# KiCad board pcb.kicad_pcb (continued)
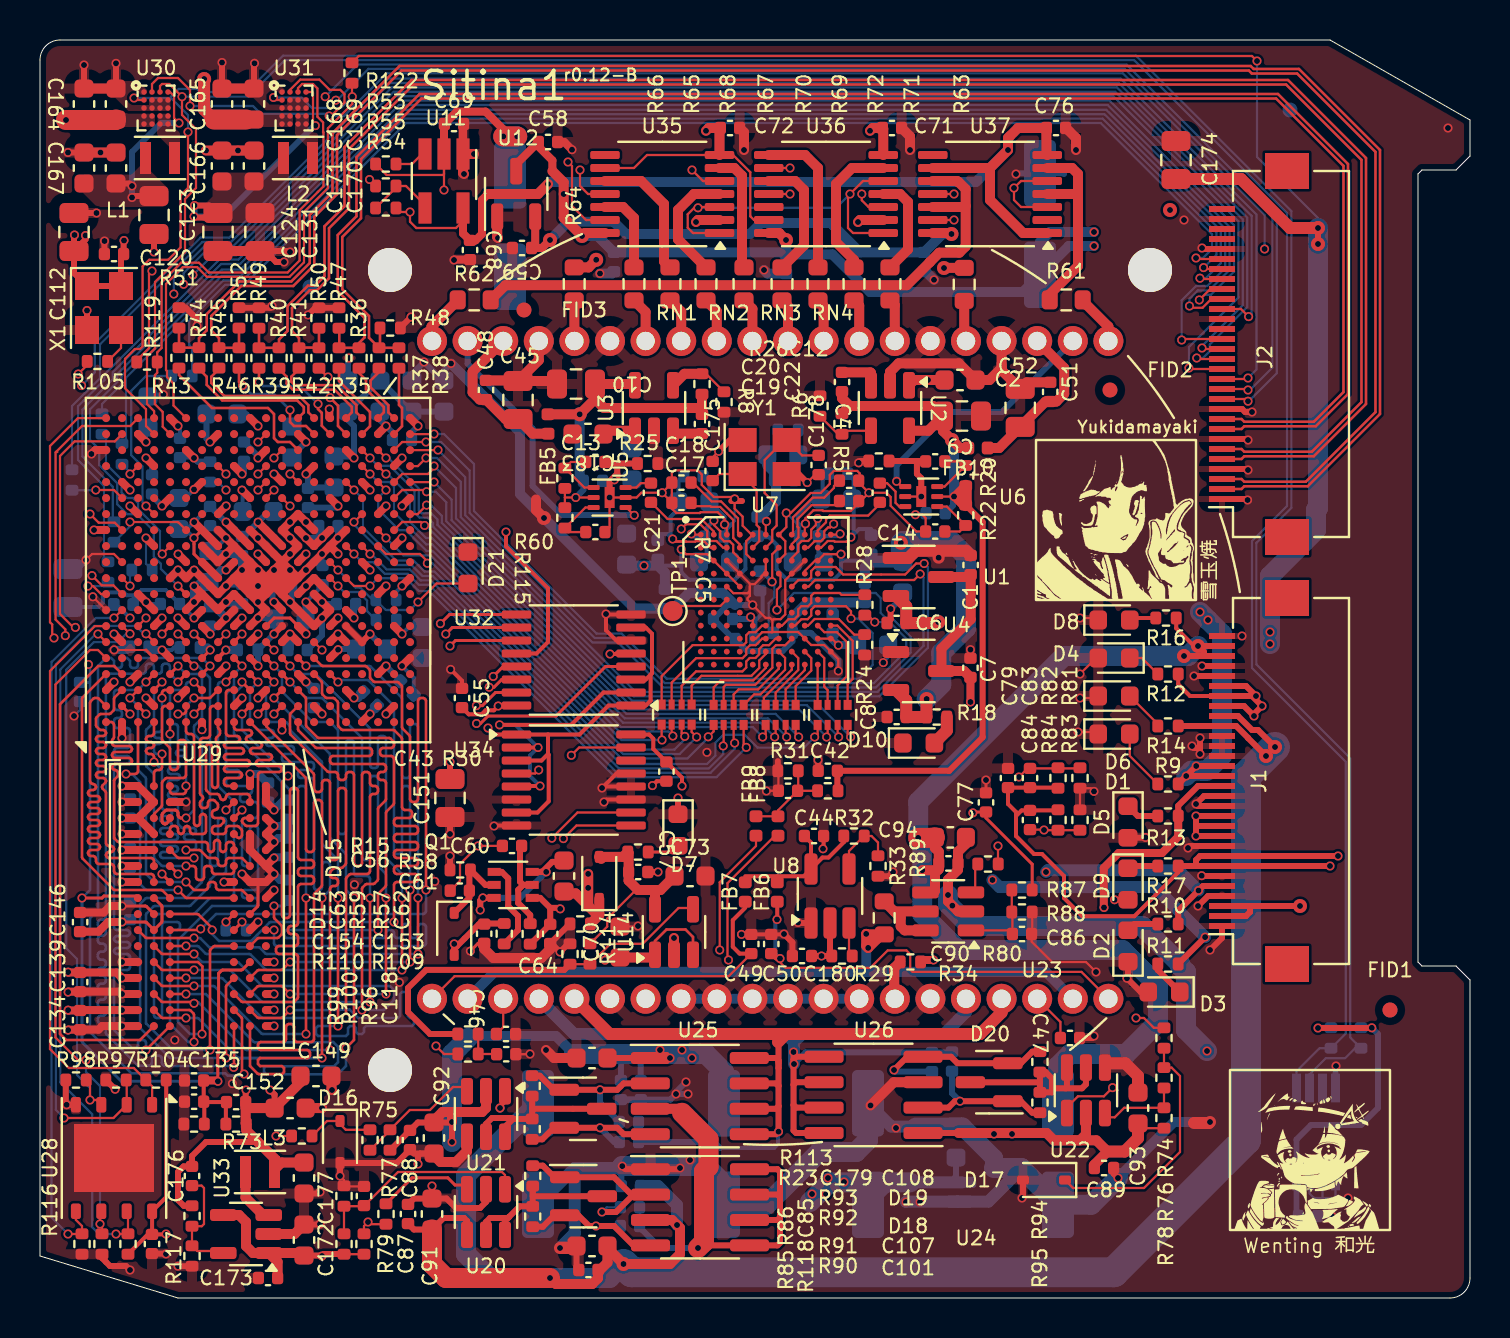
[diagram p0: board, top side]
## Library data of the parts
C1-C52 C55-C73 C76 C77 C79 C83-C185 = -: ki_fp_filters: C_*
C53 C54 C78 C80-C82 = -: ki_fp_filters: CP_*
D1-D10 D21 = -: ki_fp_filters: LED* LED_SMD:* LED_THT:*
D14 D15 = -: ki_fp_filters: TO-???* *_Diode_* *SingleDiode* D_*
D16 D17 = -: Sim.Device: D; Sim.Pins: 1=K 2=A; ki_fp_filters: TO-???* *_Diode_* *SingleDiode* D_*
D18-D20 = -: Datasheet: https://www.diodes.com/assets/Datasheets/ds11005.pdf; ki_fp_filters: SOT?23*
FB1-FB11 = -: ki_fp_filters: Inductor_* L_* *Ferrite*
FID1-FID6 = -: Description: Fiducial Marker; ki_fp_filters: Fiducial*
H1-H3 = -: ki_fp_filters: MountingHole*
HS1 = -: ki_fp_filters: Heatsink_*
J1 J2 = -: ki_fp_filters: Connector*:*_1x??_*
L1-L3 = -: ki_fp_filters: Choke_* *Coil* Inductor_* L_*
Q1 = -: Datasheet: https://assets.nexperia.com/documents/data-sheet/BC847BPN.pdf; ki_fp_filters: SOT?363*
R5-R55 R57-R128 = -: ki_fp_filters: R_*
RN1-RN4 = -: ki_fp_filters: DIP* SOIC* R*Array*Concave* R*Array*Convex*
TP1 = -: Description: test point; ki_fp_filters: Pin* Test*
U1 U4 U12 = -: Datasheet: https://www.torexsemi.com/file/xc6206/XC6206.pdf; ki_fp_filters: SOT?23?3*
U2 U3 = -: Datasheet: https://www.analog.com/media/en/technical-documentation/data-sheets/1761sff.pdf; Description: MICROPOWER 100mA LDO adjustable regulator, TSOT-23-5; ki_fp_filters: TSOT?23*
U8 U11 = -: Datasheet: https://www.ti.com/lit/ds/symlink/tps723.pdf?ts=1702883007627&ref_url=https%253A%252F%252Fwww.ti.com%252Fpower-management%252Flinear-regulators-ldo%252Fproducts.html
U9 = -: Datasheet: https://www.ti.com/lit/gpn/tmp1075; Description: I2C-bus digital temperature sensor and thermal watchdog, VSSOP-8; ki_fp_filters: VSSOP*3.0x3.0mm*P0.65mm*
U14 = -: Datasheet: https://www.diodes.com/assets/Datasheets/products_inactive_data/AP2204.pdf; Description: 150mA low dropout adjustable linear regulator, wide input voltage range, SOT-23-5 package; ki_fp_filters: SOT?23?5*
U20-U23 = -: Datasheet: https://www.infineon.com/dgdl/Infineon-1EDN6550B-DataSheet-v02_03-EN.pdf
U24-U26 = -: Datasheet: https://www.infineon.com/dgdl/Infineon-IRF9389-DataSheet-v01_01-EN.pdf
U27 = -: desc: xc7z007sclg400
U28 = -: Datasheet: http://www.winbond.com/resource-files/w25q32jv%20revg%2003272018%20plus.pdf; ki_fp_filters: WSON*1EP*6x5mm*P1.27mm*
U32 U34 = -: Datasheet: http://www.intersil.com/content/dam/Intersil/documents/cd40/cd4051bms-52bms-53bms.pdf; Description: Triple analog Multiplexer 2 to 1 line; ki_fp_filters: DIP?16*
U33 = -: Description: High Efficiency 1.5MHz, 0.6A/1A/1.2A Synchronous Step Down Regulator; ki_fp_filters: TSOT*23*
U35-U37 = -: Datasheet: https://assets.nexperia.com/documents/data-sheet/74HC_HCT04.pdf; Description: Hex Inverter; ki_fp_filters: DIP*W7.62mm* SSOP?14* TSSOP?14*
X1 = -: Datasheet: http://www.abracon.com/Oscillators/ASV.pdf; ki_fp_filters: Oscillator*SMD*Abracon*ASE*3.2x2.5mm*
Y1 = -: ki_fp_filters: Crystal*

## Footprints (pads in the part's own frame, mm; a bottom-side part is the same pattern mirrored in y, then rotated)
BGA-96_9.0x14.0mm_P0.8mm
  round 0.4 smd: A1(-3.2,6) A2(-2.4,6) A3(-1.6,6) A7(1.6,6) A8(2.4,6) A9(3.2,6) B1(-3.2,5.2) B2(-2.4,5.2) B3(-1.6,5.2) B7(1.6,5.2) B8(2.4,5.2) B9(3.2,5.2) C1(-3.2,4.4) C2(-2.4,4.4) C3(-1.6,4.4) C7(1.6,4.4) C8(2.4,4.4) C9(3.2,4.4) D1(-3.2,3.6) D2(-2.4,3.6) D3(-1.6,3.6) D7(1.6,3.6) D8(2.4,3.6) D9(3.2,3.6) E1(-3.2,2.8) E2(-2.4,2.8) E3(-1.6,2.8) E7(1.6,2.8) E8(2.4,2.8) E9(3.2,2.8) F1(-3.2,2) F2(-2.4,2) F3(-1.6,2) F7(1.6,2) F8(2.4,2) F9(3.2,2) G1(-3.2,1.2) G2(-2.4,1.2) G3(-1.6,1.2) G7(1.6,1.2) G8(2.4,1.2) G9(3.2,1.2) H1(-3.2,0.4) H2(-2.4,0.4) H3(-1.6,0.4) H7(1.6,0.4) H8(2.4,0.4) H9(3.2,0.4) J1(-3.2,-0.4) J2(-2.4,-0.4) J3(-1.6,-0.4) J7(1.6,-0.4) J8(2.4,-0.4) J9(3.2,-0.4) K1(-3.2,-1.2) K2(-2.4,-1.2) K3(-1.6,-1.2) K7(1.6,-1.2) K8(2.4,-1.2) K9(3.2,-1.2) L1(-3.2,-2) L2(-2.4,-2) L3(-1.6,-2) L7(1.6,-2) L8(2.4,-2) L9(3.2,-2) M1(-3.2,-2.8) M2(-2.4,-2.8) M3(-1.6,-2.8) M7(1.6,-2.8) M8(2.4,-2.8) M9(3.2,-2.8) N1(-3.2,-3.6) N2(-2.4,-3.6) N3(-1.6,-3.6) N7(1.6,-3.6) N8(2.4,-3.6) N9(3.2,-3.6) P1(-3.2,-4.4) P2(-2.4,-4.4) P3(-1.6,-4.4) P7(1.6,-4.4) P8(2.4,-4.4) P9(3.2,-4.4) R1(-3.2,-5.2) R2(-2.4,-5.2) R3(-1.6,-5.2) R7(1.6,-5.2) R8(2.4,-5.2) R9(3.2,-5.2) T1(-3.2,-6) T2(-2.4,-6) T3(-1.6,-6) T7(1.6,-6) T8(2.4,-6) T9(3.2,-6)
BGA-112_11x11_8.0x8.0mm
  round 0.29 smd: A1(-3.25,3.25) A2(-2.6,3.25) A3(-1.95,3.25) A4(-1.3,3.25) A5(-0.65,3.25) A6(0,3.25) A7(0.65,3.25) A8(1.3,3.25) A9(1.95,3.25) A10(2.6,3.25) A11(3.25,3.25) B1(-3.25,2.6) B2(-2.6,2.6) B3(-1.95,2.6) B4(-1.3,2.6) B5(-0.65,2.6) B6(0,2.6) B7(0.65,2.6) B8(1.3,2.6) B9(1.95,2.6) B10(2.6,2.6) B11(3.25,2.6) C1(-3.25,1.95) C2(-2.6,1.95) C3(-1.95,1.95) C4(-1.3,1.95) C5(-0.65,1.95) C6(0,1.95) C7(0.65,1.95) C8(1.3,1.95) C9(1.95,1.95) C10(2.6,1.95) C11(3.25,1.95) D1(-3.25,1.3) D2(-2.6,1.3) D3(-1.95,1.3) D4(-1.3,1.3) D5(-0.65,1.3) D6(0,1.3) D7(0.65,1.3) D8(1.3,1.3) D9(1.95,1.3) D10(2.6,1.3) D11(3.25,1.3) E1(-3.25,0.65) E2(-2.6,0.65) E3(-1.95,0.65) E4(-1.3,0.65) E8(1.3,0.65) E9(1.95,0.65) E10(2.6,0.65) E11(3.25,0.65) F1(-3.25,0) F2(-2.6,0) F3(-1.95,0) F4(-1.3,0) F8(1.3,0) F9(1.95,0) F10(2.6,0) F11(3.25,0) G1(-3.25,-0.65) G2(-2.6,-0.65) G3(-1.95,-0.65) G4(-1.3,-0.65) G8(1.3,-0.65) G9(1.95,-0.65) G10(2.6,-0.65) G11(3.25,-0.65) H1(-3.25,-1.3) H2(-2.6,-1.3) H3(-1.95,-1.3) H4(-1.3,-1.3) H5(-0.65,-1.3) H6(0,-1.3) H7(0.65,-1.3) H8(1.3,-1.3) H9(1.95,-1.3) H10(2.6,-1.3) H11(3.25,-1.3) J1(-3.25,-1.95) J2(-2.6,-1.95) J3(-1.95,-1.95) J4(-1.3,-1.95) J5(-0.65,-1.95) J6(0,-1.95) J7(0.65,-1.95) J8(1.3,-1.95) J9(1.95,-1.95) J10(2.6,-1.95) J11(3.25,-1.95) K1(-3.25,-2.6) K2(-2.6,-2.6) K3(-1.95,-2.6) K4(-1.3,-2.6) K5(-0.65,-2.6) K6(0,-2.6) K7(0.65,-2.6) K8(1.3,-2.6) K9(1.95,-2.6) K10(2.6,-2.6) K11(3.25,-2.6) L1(-3.25,-3.25) L2(-2.6,-3.25) L3(-1.95,-3.25) L4(-1.3,-3.25) L5(-0.65,-3.25) L6(0,-3.25) L7(0.65,-3.25) L8(1.3,-3.25) L9(1.95,-3.25) L10(2.6,-3.25) L11(3.25,-3.25)
C_0402_1005Metric
  rrect 0.56x0.62 smd: 1(-0.48,0) 2(0.48,0)
C_0603_1608Metric
  rrect 0.9x0.95 smd: 1(-0.775,0) 2(0.775,0)
C_0805_2012Metric
  rrect 1x1.45 smd: 1(-0.95,0) 2(0.95,0)
C_Elec_6.3x7.7
  rrect 3.325x1.6 smd: 1(-2.538,0) 2(2.538,0)
Crystal_SMD_3225-4Pin_3.2x2.5mm
  rect 1.4x1.2 smd: 1(-1.1,-0.85) 2(1.1,-0.85) 3(1.1,0.85) 4(-1.1,0.85)
CSP-20_4x5_1.6x2.0mm
  round 0.275 smd: A1(-0.6,0.8) A2(-0.2,0.8) A3(0.2,0.8) A4(0.6,0.8) B1(-0.6,0.4) B2(-0.2,0.4) B3(0.2,0.4) B4(0.6,0.4) C1(-0.6,0) C2(-0.2,0) C3(0.2,0) C4(0.6,0) D1(-0.6,-0.4) D2(-0.2,-0.4) D3(0.2,-0.4) D4(0.6,-0.4) E1(-0.6,-0.8) E2(-0.2,-0.8) E3(0.2,-0.8) E4(0.6,-0.8)
D_SOD-323
  rrect 0.6x0.45 smd: 1(-1.05,0) 2(1.05,0)
DFN-6-1EP_1.6x1.6mm_P0.5mm_EP0.5x1.05mm
  rect 0.5x1.05 smd: (0,0) 7(0,0)
  rrect 0.6x0.25 smd: 1(-0.8,0.5) 2(-0.8,0) 3(-0.8,-0.5) 4(0.8,-0.5) 5(0.8,0) 6(0.8,0.5)
Fiducial_0.75mm_Mask1.5mm
  round 0.75 smd: (0,0)
Hirose_FH12-30S-0.5SH_1x30-1MP_P0.50mm_Horizontal
  rect 0.3x1.3 smd: 1(-7.25,1.85) 2(-6.75,1.85) 3(-6.25,1.85) 4(-5.75,1.85) 5(-5.25,1.85) 6(-4.75,1.85) 7(-4.25,1.85) 8(-3.75,1.85) 9(-3.25,1.85) 10(-2.75,1.85) 11(-2.25,1.85) 12(-1.75,1.85) 13(-1.25,1.85) 14(-0.75,1.85) 15(-0.25,1.85) 16(0.25,1.85) 17(0.75,1.85) 18(1.25,1.85) 19(1.75,1.85) 20(2.25,1.85) 21(2.75,1.85) 22(3.25,1.85) 23(3.75,1.85) 24(4.25,1.85) 25(4.75,1.85) 26(5.25,1.85) 27(5.75,1.85) 28(6.25,1.85) 29(6.75,1.85) 30(7.25,1.85)
  rect 1.8x2.2 smd: MP(-9.15,-1.4) MP(9.15,-1.4)
KAI-1100X
  round 1.5 hole 0.92: 1(-16.91,-16.445) 2(-15.13,-16.445) 3(-13.35,-16.445) 4(-11.57,-16.445) 5(-9.79,-16.445) 6(-8.01,-16.445) 7(-6.23,-16.445) 8(-4.45,-16.445) 9(-2.67,-16.445) 10(-0.89,-16.445) 11(0.89,-16.445) 12(2.67,-16.445) 13(4.45,-16.445) 14(6.23,-16.445) 15(8.01,-16.445) 16(9.79,-16.445) 17(11.57,-16.445) 18(13.35,-16.445) 19(15.13,-16.445) 20(16.91,-16.445) 21(16.91,16.445) 22(15.13,16.445) 23(13.35,16.445) 24(11.57,16.445) 25(9.79,16.445) 26(8.01,16.445) 27(6.23,16.445) 28(4.45,16.445) 29(2.67,16.445) 30(0.89,16.445) 31(-0.89,16.445) 32(-2.67,16.445) 33(-4.45,16.445) 34(-6.23,16.445) 35(-8.01,16.445) 36(-9.79,16.445) 37(-11.57,16.445) 38(-13.35,16.445) 39(-15.13,16.445) 40(-16.91,16.445)
L_0402_1005Metric
  rrect 0.59x0.64 smd: 1(-0.485,0) 2(0.485,0)
L_Murata_DFE201610P
  rect 0.55x1.6 smd: 1(-0.725,0) 2(0.725,0)
LED_0603_1608Metric
  rrect 0.875x0.95 smd: 1(-0.787,0) 2(0.787,0)
MountingHole_2.2mm_M2_DIN965
  round 2.2 hole 2.2 unplated: (0,0)
R_0402_1005Metric
  rrect 0.54x0.64 smd: 1(-0.51,0) 2(0.51,0)
R_0603_1608Metric
  rrect 0.8x0.95 smd: 1(-0.825,0) 2(0.825,0)
R_Array_Convex_4x0402
  rect 0.5x0.4 smd: 1(-0.5,0.75) 4(-0.5,-0.75) 5(0.5,-0.75) 8(0.5,0.75)
  rect 0.5x0.3 smd: 2(-0.5,0.25) 3(-0.5,-0.25) 6(0.5,-0.25) 7(0.5,0.25)
SOIC-8_3.9x4.9mm_P1.27mm
  rrect 1.95x0.6 smd: 1(-2.475,1.905) 2(-2.475,0.635) 3(-2.475,-0.635) 4(-2.475,-1.905) 5(2.475,-1.905) 6(2.475,-0.635) 7(2.475,0.635) 8(2.475,1.905)
SOT-23
  rrect 1.475x0.6 smd: 1(-0.938,0.95) 2(-0.938,-0.95) 3(0.938,0)
SOT-23-3
  rrect 1.325x0.6 smd: 1(-1.137,0.95) 2(-1.137,-0.95) 3(1.137,0)
SOT-23-5
  rrect 1.325x0.6 smd: 1(-1.137,0.95) 2(-1.137,0) 3(-1.137,-0.95) 4(1.137,-0.95) 5(1.137,0.95)
SOT-23-5_HandSoldering
  rrect 1.56x0.65 smd: 1(-1.35,0.95) 2(-1.35,0) 3(-1.35,-0.95) 4(1.35,-0.95) 5(1.35,0.95)
SOT-23-5_HandSoldering#2
  rect 1.56x0.65 smd: 1(-1.35,0.95) 2(-1.35,0) 3(-1.35,-0.95) 4(1.35,-0.95) 5(1.35,0.95)
SOT-23-6
  rrect 1.325x0.6 smd: 1(-1.137,0.95) 2(-1.137,0) 3(-1.137,-0.95) 4(1.137,-0.95) 5(1.137,0) 6(1.137,0.95)
SOT-363_SC-70-6
  rect 0.65x0.4 smd: 1(-0.95,0.65) 2(-0.95,0) 3(-0.95,-0.65) 4(0.95,-0.65) 5(0.95,0) 6(0.95,0.65)
TestPoint_Pad_D1.0mm
  round 1 smd: 1(0,0)
TSOT-23-5
  rrect 1.325x0.6 smd: 1(-1.137,0.95) 2(-1.137,0) 3(-1.137,-0.95) 4(1.137,-0.95) 5(1.137,0.95)
TSSOP-14_4.4x5mm_P0.65mm
  rrect 1.475x0.4 smd: 1(-2.862,1.95) 2(-2.862,1.3) 3(-2.862,0.65) 4(-2.862,0) 5(-2.862,-0.65) 6(-2.862,-1.3) 7(-2.862,-1.95) 8(2.862,-1.95) 9(2.862,-1.3) 10(2.862,-0.65) 11(2.862,0) 12(2.862,0.65) 13(2.862,1.3) 14(2.862,1.95)
TSSOP-16_4.4x5mm_P0.65mm
  rrect 1.475x0.4 smd: 1(-2.862,2.275) 2(-2.862,1.625) 3(-2.862,0.975) 4(-2.862,0.325) 5(-2.862,-0.325) 6(-2.862,-0.975) 7(-2.862,-1.625) 8(-2.862,-2.275) 9(2.862,-2.275) 10(2.862,-1.625) 11(2.862,-0.975) 12(2.862,-0.325) 13(2.862,0.325) 14(2.862,0.975) 15(2.862,1.625) 16(2.862,2.275)
VSSOP-8_3.0x3.0mm_P0.65mm
  rect 1.45x0.45 smd: 1(-2.2,0.975) 2(-2.2,0.325) 3(-2.2,-0.325) 4(-2.2,-0.975) 5(2.2,-0.975) 6(2.2,-0.325) 7(2.2,0.325) 8(2.2,0.975)
WSON-8-1EP_6x5mm_P1.27mm_EP3.4x4mm
  rrect 1.37x1.61 smd: (-0.85,1) (-0.85,-1) (0.85,1) (0.85,-1)
  rrect 0.775x0.5 smd: 1(-2.663,1.905) 2(-2.663,0.635) 3(-2.663,-0.635) 4(-2.663,-1.905) 5(2.663,-1.905) 6(2.663,-0.635) 7(2.663,0.635) 8(2.663,1.905)
  rect 3.4x4 smd: 9(0,0)
Xilinx_CLG400
  round 0.4 smd: A1(-7.6,7.6) A2(-6.8,7.6) A3(-6,7.6) A4(-5.2,7.6) A5(-4.4,7.6) A6(-3.6,7.6) A7(-2.8,7.6) A8(-2,7.6) A9(-1.2,7.6) A10(-0.4,7.6) A11(0.4,7.6) A12(1.2,7.6) A13(2,7.6) A14(2.8,7.6) A15(3.6,7.6) A16(4.4,7.6) A17(5.2,7.6) A18(6,7.6) A19(6.8,7.6) A20(7.6,7.6) B1(-7.6,6.8) B2(-6.8,6.8) B3(-6,6.8) B4(-5.2,6.8) B5(-4.4,6.8) B6(-3.6,6.8) B7(-2.8,6.8) B8(-2,6.8) B9(-1.2,6.8) B10(-0.4,6.8) B11(0.4,6.8) B12(1.2,6.8) B13(2,6.8) B14(2.8,6.8) B15(3.6,6.8) B16(4.4,6.8) B17(5.2,6.8) B18(6,6.8) B19(6.8,6.8) B20(7.6,6.8) C1(-7.6,6) C2(-6.8,6) C3(-6,6) C4(-5.2,6) C5(-4.4,6) C6(-3.6,6) C7(-2.8,6) C8(-2,6) C9(-1.2,6) C10(-0.4,6) C11(0.4,6) C12(1.2,6) C13(2,6) C14(2.8,6) C15(3.6,6) C16(4.4,6) C17(5.2,6) C18(6,6) C19(6.8,6) C20(7.6,6) D1(-7.6,5.2) D2(-6.8,5.2) D3(-6,5.2) D4(-5.2,5.2) D5(-4.4,5.2) D6(-3.6,5.2) D7(-2.8,5.2) D8(-2,5.2) D9(-1.2,5.2) D10(-0.4,5.2) D11(0.4,5.2) D12(1.2,5.2) D13(2,5.2) D14(2.8,5.2) D15(3.6,5.2) D16(4.4,5.2) D17(5.2,5.2) D18(6,5.2) D19(6.8,5.2) D20(7.6,5.2) E1(-7.6,4.4) E2(-6.8,4.4) E3(-6,4.4) E4(-5.2,4.4) E5(-4.4,4.4) E6(-3.6,4.4) E7(-2.8,4.4) E8(-2,4.4) E9(-1.2,4.4) E10(-0.4,4.4) E11(0.4,4.4) E12(1.2,4.4) E13(2,4.4) E14(2.8,4.4) E15(3.6,4.4) E16(4.4,4.4) E17(5.2,4.4) E18(6,4.4) E19(6.8,4.4) E20(7.6,4.4) F1(-7.6,3.6) F2(-6.8,3.6) F3(-6,3.6) F4(-5.2,3.6) F5(-4.4,3.6) F6(-3.6,3.6) F7(-2.8,3.6) F8(-2,3.6) F9(-1.2,3.6) F10(-0.4,3.6) F11(0.4,3.6) F12(1.2,3.6) F13(2,3.6) F14(2.8,3.6) F15(3.6,3.6) F16(4.4,3.6) F17(5.2,3.6) F18(6,3.6) F19(6.8,3.6) F20(7.6,3.6) G1(-7.6,2.8) G2(-6.8,2.8) G3(-6,2.8) G4(-5.2,2.8) G5(-4.4,2.8) G6(-3.6,2.8) G7(-2.8,2.8) G8(-2,2.8) G9(-1.2,2.8) G10(-0.4,2.8) G11(0.4,2.8) G12(1.2,2.8) G13(2,2.8) G14(2.8,2.8) G15(3.6,2.8) G16(4.4,2.8) G17(5.2,2.8) G18(6,2.8) G19(6.8,2.8) G20(7.6,2.8) H1(-7.6,2) H2(-6.8,2) H3(-6,2) H4(-5.2,2) H5(-4.4,2) H6(-3.6,2) H7(-2.8,2) H8(-2,2) H9(-1.2,2) H10(-0.4,2) H11(0.4,2) H12(1.2,2) H13(2,2) H14(2.8,2) H15(3.6,2) H16(4.4,2) H17(5.2,2) H18(6,2) H19(6.8,2) H20(7.6,2) J1(-7.6,1.2) J2(-6.8,1.2) J3(-6,1.2) J4(-5.2,1.2) J5(-4.4,1.2) J6(-3.6,1.2) J7(-2.8,1.2) J8(-2,1.2) J9(-1.2,1.2) J10(-0.4,1.2) J11(0.4,1.2) J12(1.2,1.2) J13(2,1.2) J14(2.8,1.2) J15(3.6,1.2) J16(4.4,1.2) J17(5.2,1.2) J18(6,1.2) J19(6.8,1.2) J20(7.6,1.2) K1(-7.6,0.4) K2(-6.8,0.4) K3(-6,0.4) K4(-5.2,0.4) K5(-4.4,0.4) K6(-3.6,0.4) K7(-2.8,0.4) K8(-2,0.4) K9(-1.2,0.4) K10(-0.4,0.4) K11(0.4,0.4) K12(1.2,0.4) K13(2,0.4) K14(2.8,0.4) K15(3.6,0.4) K16(4.4,0.4) K17(5.2,0.4) K18(6,0.4) K19(6.8,0.4) K20(7.6,0.4) L1(-7.6,-0.4) L2(-6.8,-0.4) L3(-6,-0.4) L4(-5.2,-0.4) L5(-4.4,-0.4) L6(-3.6,-0.4) L7(-2.8,-0.4) L8(-2,-0.4) L9(-1.2,-0.4) L10(-0.4,-0.4) L11(0.4,-0.4) L12(1.2,-0.4) L13(2,-0.4) L14(2.8,-0.4) L15(3.6,-0.4) L16(4.4,-0.4) L17(5.2,-0.4) L18(6,-0.4) L19(6.8,-0.4) L20(7.6,-0.4) M1(-7.6,-1.2) M2(-6.8,-1.2) M3(-6,-1.2) M4(-5.2,-1.2) M5(-4.4,-1.2) M6(-3.6,-1.2) M7(-2.8,-1.2) M8(-2,-1.2) M9(-1.2,-1.2) M10(-0.4,-1.2) M11(0.4,-1.2) M12(1.2,-1.2) M13(2,-1.2) M14(2.8,-1.2) M15(3.6,-1.2) M16(4.4,-1.2) M17(5.2,-1.2) M18(6,-1.2) M19(6.8,-1.2) M20(7.6,-1.2) N1(-7.6,-2) N2(-6.8,-2) N3(-6,-2) N4(-5.2,-2) N5(-4.4,-2) N6(-3.6,-2) N7(-2.8,-2) N8(-2,-2) N9(-1.2,-2) N10(-0.4,-2) N11(0.4,-2) N12(1.2,-2) N13(2,-2) N14(2.8,-2) N15(3.6,-2) N16(4.4,-2) N17(5.2,-2) N18(6,-2) N19(6.8,-2) N20(7.6,-2) P1(-7.6,-2.8) P2(-6.8,-2.8) P3(-6,-2.8) P4(-5.2,-2.8) P5(-4.4,-2.8) P6(-3.6,-2.8) P7(-2.8,-2.8) P8(-2,-2.8) P9(-1.2,-2.8) P10(-0.4,-2.8) P11(0.4,-2.8) P12(1.2,-2.8) P13(2,-2.8) P14(2.8,-2.8) P15(3.6,-2.8) P16(4.4,-2.8) P17(5.2,-2.8) P18(6,-2.8) P19(6.8,-2.8) P20(7.6,-2.8) R1(-7.6,-3.6) R2(-6.8,-3.6) R3(-6,-3.6) R4(-5.2,-3.6) R5(-4.4,-3.6) R6(-3.6,-3.6) R7(-2.8,-3.6) R8(-2,-3.6) R9(-1.2,-3.6) R10(-0.4,-3.6) R11(0.4,-3.6) R12(1.2,-3.6) R13(2,-3.6) R14(2.8,-3.6) R15(3.6,-3.6) R16(4.4,-3.6) R17(5.2,-3.6) R18(6,-3.6) R19(6.8,-3.6) R20(7.6,-3.6) T1(-7.6,-4.4) T2(-6.8,-4.4) T3(-6,-4.4) T4(-5.2,-4.4) T5(-4.4,-4.4) T6(-3.6,-4.4) T7(-2.8,-4.4) T8(-2,-4.4) T9(-1.2,-4.4) T10(-0.4,-4.4) T11(0.4,-4.4) T12(1.2,-4.4) T13(2,-4.4) T14(2.8,-4.4) T15(3.6,-4.4) T16(4.4,-4.4) T17(5.2,-4.4) T18(6,-4.4) T19(6.8,-4.4) T20(7.6,-4.4) U1(-7.6,-5.2) U2(-6.8,-5.2) U3(-6,-5.2) U4(-5.2,-5.2) U5(-4.4,-5.2) U6(-3.6,-5.2) U7(-2.8,-5.2) U8(-2,-5.2) U9(-1.2,-5.2) U10(-0.4,-5.2) U11(0.4,-5.2) U12(1.2,-5.2) U13(2,-5.2) U14(2.8,-5.2) U15(3.6,-5.2) U16(4.4,-5.2) U17(5.2,-5.2) U18(6,-5.2) U19(6.8,-5.2) U20(7.6,-5.2) V1(-7.6,-6) V2(-6.8,-6) V3(-6,-6) V4(-5.2,-6) V5(-4.4,-6) V6(-3.6,-6) V7(-2.8,-6) V8(-2,-6) V9(-1.2,-6) V10(-0.4,-6) V11(0.4,-6) V12(1.2,-6) V13(2,-6) V14(2.8,-6) V15(3.6,-6) V16(4.4,-6) V17(5.2,-6) V18(6,-6) V19(6.8,-6) V20(7.6,-6) W1(-7.6,-6.8) W2(-6.8,-6.8) W3(-6,-6.8) W4(-5.2,-6.8) W5(-4.4,-6.8) W6(-3.6,-6.8) W7(-2.8,-6.8) W8(-2,-6.8) W9(-1.2,-6.8) W10(-0.4,-6.8) W11(0.4,-6.8) W12(1.2,-6.8) W13(2,-6.8) W14(2.8,-6.8) W15(3.6,-6.8) W16(4.4,-6.8) W17(5.2,-6.8) W18(6,-6.8) W19(6.8,-6.8) W20(7.6,-6.8) Y1(-7.6,-7.6) Y2(-6.8,-7.6) Y3(-6,-7.6) Y4(-5.2,-7.6) Y5(-4.4,-7.6) Y6(-3.6,-7.6) Y7(-2.8,-7.6) Y8(-2,-7.6) Y9(-1.2,-7.6) Y10(-0.4,-7.6) Y11(0.4,-7.6) Y12(1.2,-7.6) Y13(2,-7.6) Y14(2.8,-7.6) Y15(3.6,-7.6) Y16(4.4,-7.6) Y17(5.2,-7.6) Y18(6,-7.6) Y19(6.8,-7.6) Y20(7.6,-7.6)

## Nets
+1V0_PL: C116.1 C119.1 C122.1 C124.1 C125.1 C128.1 C131.1 C170.1 C171.1 L2.2 U27.G11 U27.G13 U27.H10 U27.H12 U27.J13 U27.K12 U27.L13 U27.M12 U27.N13 U27.P12 U27.R13 U31.A4
+1V0_PS: C115.1 C117.1 C121.1 C123.1 C166.1 C167.1 L1.2 U27.G7 U27.J7 U27.L7 U27.N7 U27.P8 U27.R7 U30.A4
+1V5: C59.1 C65.1 U12.2 U32.12 U37.14
+1V8: C126.1 C127.1 C129.1 C130.1 C132.1 C133.1 C155.1 C156.1 C157.1 C184.1 C185.1 FB11.2 J2.30 U27.F8 U27.F11 U27.G9 U27.H8 U27.J9 U27.J11 U27.K8 U27.L11 U27.M8 U27.N9 U27.N11 U27.N19 U27.P10 U27.R9 U27.R15 U27.T18 U27.V14 U27.W17 U27.Y20
+1V8A: C6.1 C27.2 C33.2 C34.2 C35.2 FB1.2 U1.2 U7.H5 U7.J10 U7.J11
+1V35: C134.1 C136.1 C137.1 C138.1 C139.1 C140.1 C142.1 C143.1 C144.1 C145.1 C146.1 C147.1 C148.1 C149.1 C150.1 C151.1 C152.1 C153.1 C176.2 C177.1 L3.2 R108.1 R109.1 R116.2 U27.A3 U27.D2 U27.E5 U27.G1 U27.H4 U27.L3 U27.P2 U27.R5 U27.U1 U27.V4 U29.A1 U29.A8 U29.B2 U29.C1 U29.C9 U29.D2 U29.D9 U29.E9 U29.F1 U29.G7 U29.H2 U29.H9 U29.K2 U29.K8 U29.N1 U29.N9 U29.R1 U29.R9
+2V: C53.1 C58.1 C66.1 C67.1 J1.2 J1.3 U12.3 U32.2 U32.5 U34.2 U34.5 U35.14 U36.14
+3V0: C8.1 C29.2 C30.2 C31.2 C32.2 FB2.1 FB3.1 FB4.1 R18.2 U4.2 U7.C2 U7.C10 U7.D3 U7.D9 U7.E4
+3V3: C1.1 C7.1 C55.1 C57.1 C77.2 C110.2 C111.2 C112.2 C118.2 C120.2 C158.1 C159.1 C160.1 C161.1 C162.1 C163.1 C164.1 C165.1 C168.1 C169.1 C172.1 C173.2 C174.1 C181.2 J1.10 J1.11 J1.12 R85.2 R87.2 R96.1 R101.1 R102.1 R103.1 R104.1 R112.1 R118.2 R119.1 R120.1 R121.1 R122.1 U1.3 U4.3 U9.8 U27.A13 U27.B6 U27.B16 U27.C19 U27.D7 U27.D12 U27.E15 U27.F18 U27.H14 U27.J17 U27.K6 U27.K20 U27.M6 U27.M16 U27.N6 U27.R6 U27.T6 U27.T8 U27.U11 U27.W7 U27.Y10 U28.8 U30.A2 U30.D1 U30.D2 U30.E1 U30.E2 U31.A2 U31.D1 U31.D2 U31.E1 U31.E2 U32.16 U33.1 U33.4 U34.16 X1.1 X1.4
+5V: C82.1 C90.2 C94.2 J1.28 J1.29 R16.2 U23.4
+8V: C81.1 C87.2 C91.2 C101.2 C104.2 C107.2 J1.21 J1.22 R14.2 U20.4 U24.3
+15VL: C4.2 C9.1 C16.1 C42.1 FB10.1 R5.1 R20.1 R22.1 R30.1 U2.5 U6.5
+15VR: C5.2 C10.1 C15.1 FB5.1 R7.1 R19.1 R21.1 U3.5 U5.5
+16V: C2.1 C3.1 C182.1 C183.1 J1.16 J1.17 R9.2 U2.1 U3.1
+22V: C62.2 C70.1 J1.5 Q1.4 R10.2 R57.1 U14.1 U14.3
-3V5: C68.1 C76.2 R54.1 U11.5 U32.13 U37.1 U37.7 U37.9
-4V: C54.2 C69.1 C71.2 C72.2 C79.1 C83.1 C84.1 J1.7 J1.8 R17.2 R53.1 R82.1 R84.1 U11.2 U32.1 U32.3 U32.7 U34.1 U34.3 U34.7 U35.7 U35.9 U36.7 U36.13
-8VA: C180.2 J1.15 R13.2 R29.1 R34.1 U8.2
-9V: C63.1 C78.2 C80.2 C88.1 C89.1 C90.1 C92.1 C93.1 C94.1 C102.2 C103.2 C105.1 C106.1 C108.1 C109.1 D14.2 J1.23 J1.24 J1.25 R12.2 R59.2 R77.1 R78.1 U21.2 U22.2 U23.2 U25.1 U26.1
-15V: R11.2
/afe/AVDDA: C23.2 C24.2 U7.A1 U7.C4
/afe/AVDDB: C25.2 C26.2 U7.A11 U7.C8
/afe/AVSS: C36.2 C37.2 C175.1 C178.1 R27.1 U7.B3 U7.B9 Y1.2 Y1.4
/afe/AVSSA: C11.2 C13.2 C15.2 C17.2 C18.2 C23.1 C24.1 C38.2 C39.2 R25.1 U5.2 U5.7 U7.A3 U7.A5 U7.C5
/afe/AVSSB: C12.2 C14.2 C16.2 C19.2 C20.2 C25.1 C26.1 C40.2 C41.2 R26.1 U6.2 U6.7 U7.A7 U7.A9 U7.C7
/ccd/VDDL: C51.1 C52.1 FB10.2 U10.18
/ccd/VDDR: C45.1 C48.1 FB5.2 U10.3
/ccd_driver_v/V1S: D20.3 R94.1 R95.2 U22.5 U22.6
/ccd_driver_v/V2S: D19.3 R92.1 R93.2 U21.5 U21.6
/ccd_driver_v/V23: D18.3 R90.1 R91.2 U20.5 U20.6
/fpga_power/VCCPLL: C113.2 C114.2 FB11.1 U27.G8
GND: C1.2 C2.2 C3.2 C6.2 C7.2 C8.2 C9.2 C10.2 C27.1 C28.1 C29.1 C30.1 C31.1 C32.1 C33.1 C34.1 C35.1 C42.2 C43.2 C44.1 C45.2 C46.2 C47.2 C48.2 C49.2 C50.2 C51.2 C52.2 C53.2 C54.1 C55.2 C56.1 C57.2 C58.2 C59.2 C62.1 C63.2 C65.2 C66.2 C67.2 C68.2 C69.2 C70.2 C71.1 C72.1 C73.2 C76.1 C77.1 C78.1 C79.2 C80.1 C81.2 C82.2 C85.1 C86.1 C87.1 C88.2 C89.2 C91.1 C92.2 C93.2 C101.1 C102.1 C103.1 C104.1 C105.2 C106.2 C107.1 C108.2 C109.2 C110.1 C111.1 C112.1 C113.1 C114.1 C115.2 C116.2 C117.2 C118.1 C119.2 C120.1 C121.2 C122.2 C123.2 C124.2 C125.2 C126.2 C127.2 C128.2 C129.2 C130.2 C131.2 C132.2 C133.2 C134.2 C135.2 C136.2 C137.2 C138.2 C139.2 C140.2 C141.2 C142.2 C143.2 C144.2 C145.2 C146.2 C147.2 C148.2 C149.2 C150.2 C151.2 C152.2 C154.2 C155.2 C156.2 C157.2 C158.2 C159.2 C160.2 C161.2 C162.2 C163.2 C164.2 C165.2 C166.2 C167.2 C168.2 C169.2 C170.2 C171.2 C172.2 C173.1 C174.2 C177.2 C179.1 C180.1 C181.1 C182.2 C183.2 C184.2 C185.2 D1.1 D2.1 D3.2 D4.2 D5.2 D6.1 D7.1 D8.1 D9.2 D10.1 D16.2 D17.2 D21.1 J1.1 J1.4 J1.6 J1.9 J1.13 J1.14 J1.18 J1.19 J1.20 J1.26 J1.27 J1.30 J2.1 J2.4 J2.7 J2.10 J2.19 J2.26 J2.29 R6.2 R8.2 R24.1 R25.2 R26.2 R27.2 R31.2 R33.2 R47.1 R48.1 R49.1 R50.1 R51.1 R52.1 R55.2 R58.2 R60.2 R81.2 R83.2 R86.1 R88.1 R97.1 R98.1 R99.1 R100.1 R107.1 R110.2 R111.1 R115.1 R117.1 U1.1 U2.2 U3.2 U4.1 U7.C3 U7.C6 U7.C9 U7.D4 U7.D6 U7.D8 U7.E3 U7.J5 U7.J9 U7.K11 U8.1 U9.4 U9.5 U9.6 U9.7 U10.4 U10.6 U10.15 U10.17 U10.26 U10.28 U10.29 U10.30 U10.31 U10.32 U10.33 U10.35 U11.1 U12.1 U14.2 U20.2 U21.4 U22.4 U24.1 U26.3 U27.A8 U27.A18 U27.B1 U27.B11 U27.C4 U27.C9 U27.C14 U27.D5 U27.D8 U27.D17 U27.E10 U27.E20 U27.F3 U27.F7 U27.F10 U27.G10 U27.G12 U27.G16 U27.H7 U27.H9 U27.H11 U27.H13 U27.H19 U27.J2 U27.J8 U27.J10 U27.J12 U27.K5 U27.K7 U27.K9 U27.K10 U27.K11 U27.K13 U27.K15 U27.L8 U27.L9 U27.L10 U27.L12 U27.L18 U27.M1 U27.M7 U27.M9 U27.M10 U27.M11 U27.M13 U27.N4 U27.N8 U27.N10 U27.N12 U27.N14 U27.P7 U27.P9 U27.P11 U27.P13 U27.P17 U27.R8 U27.R12 U27.R20 U27.T3 U27.T7 U27.T13 U27.U6 U27.U16 U27.V9 U27.V19 U27.W2 U27.W12 U27.Y5 U27.Y15 U28.4 U28.9 U29.A9 U29.B1 U29.B3 U29.B9 U29.D1 U29.D8 U29.E1 U29.E2 U29.E8 U29.F9 U29.G1 U29.G8 U29.G9 U29.J2 U29.J8 U29.M1 U29.M9 U29.P1 U29.P9 U29.T1 U29.T9 U30.A1 U30.B2 U30.B3 U30.B4 U30.C1 U30.C2 U30.C3 U30.C4 U31.A1 U31.B2 U31.B3 U31.B4 U31.C1 U31.C2 U31.C3 U31.C4 U32.6 U32.8 U33.2 U34.6 U34.8 U34.11 U34.12 U34.13 X1.2
V1_CCD: C99.1 C100.2 U10.25 U10.37 U26.5 U26.6 U26.7 U26.8
V2_CCD: C97.1 C98.2 U10.24 U10.36 U25.5 U25.6 U25.7 U25.8
+DRAM_VREF: C135.1 C141.1 C153.2 C154.1 R109.2 R110.1 U27.H6 U27.P6 U29.H1 U29.M8
+VAB: C56.2 C73.1 D15.2 R15.2 R114.2 U14.5
/afe/CLI: C175.2 U7.B5 Y1.1
/afe/CSI_D2_pre: RN1.8 U7.H6
/afe/CSI_D3_pre: RN1.7 U7.J6
/afe/CSI_D4_pre: RN1.5 U7.K6
/afe/CSI_D5_pre: RN2.8 U7.L6
/afe/CSI_D6_pre: RN2.6 U7.L7
/afe/CSI_D7_pre: RN2.5 U7.K7
/afe/CSI_D8_pre: RN1.6 U7.J7
/afe/CSI_D9_pre: R28.1 U7.H7
/afe/CSI_D10_pre: RN3.8 U7.L8
/afe/CSI_D11_pre: RN3.7 U7.K8
/afe/CSI_D12_pre: RN2.7 U7.J8
/afe/CSI_D13_pre: RN3.6 U7.L9
/afe/CSI_D14_pre: RN3.5 U7.K9
/afe/CSI_D15_pre: RN4.7 U7.K10
/afe/CSI_DCLK_pre: RN4.8 U7.L10
/afe/CSI_HD_pre: RN4.5 U7.H11
/afe/CSI_VD_pre: RN4.6 U7.H10
/ccd/VOD: C44.2 FB6.1 FB7.1 R32.1 U8.5
/ccd/VOGL: C49.1 FB7.2 U10.40
/ccd/VOGR: C50.1 FB6.2 U10.21
/ccd/VRDL: C46.1 FB9.2 U10.38
/ccd/VRDR: C47.1 FB8.2 U10.23
/ccd_driver/H1BINL: R64.1 U35.2
/ccd_driver/H1BINR: R63.1 U36.2
/ccd_driver/H1BL: R68.1 U35.4
/ccd_driver/H1BR: R69.1 U36.8
/ccd_driver/H1BRS: U34.4 U36.9
/ccd_driver/H1S: U32.15 U35.1 U35.3 U35.11 U36.1 U36.5
/ccd_driver/H1SL: R65.1 U35.10
/ccd_driver/H1SR: R72.1 U36.6
/ccd_driver/H2BL: R67.1 U35.6
/ccd_driver/H2BR: R70.1 U36.10
/ccd_driver/H2BRS: U34.15 U36.11
/ccd_driver/H2S: U32.4 U35.5 U35.13 U36.3
/ccd_driver/H2SL: R66.1 U35.12
/ccd_driver/H2SR: R71.1 U36.4
/ccd_driver/RGS: U32.14 U37.3 U37.5 U37.11 U37.13
/ccd_driver/RL: R62.1 U37.10 U37.12
/ccd_driver/RR: R61.1 U37.4 U37.6
/fpga_config/FPGA_DONE: D21.2 R101.2 U27.R11
/fpga_config/INIT_B: R102.2 U27.R10
/fpga_config/PROG_B: R103.2 U27.L6
/fpga_config/PS_CLK: R105.2 U27.E7
/fpga_ddr/DRAM_ADDR0: U27.N2 U29.N3
/fpga_ddr/DRAM_ADDR1: U27.K2 U29.P7
/fpga_ddr/DRAM_ADDR2: U27.M3 U29.P3
/fpga_ddr/DRAM_ADDR3: U27.K3 U29.N2
/fpga_ddr/DRAM_ADDR4: U27.M4 U29.P8
/fpga_ddr/DRAM_ADDR5: U27.L1 U29.P2
/fpga_ddr/DRAM_ADDR6: U27.L4 U29.R8
/fpga_ddr/DRAM_ADDR7: U27.K4 U29.R2
/fpga_ddr/DRAM_ADDR8: U27.K1 U29.T8
/fpga_ddr/DRAM_ADDR9: U27.J4 U29.R3
/fpga_ddr/DRAM_ADDR10: U27.F5 U29.L7
/fpga_ddr/DRAM_ADDR11: U27.G4 U29.R7
/fpga_ddr/DRAM_ADDR12: U27.E4 U29.N7
/fpga_ddr/DRAM_ADDR13: U27.D4 U29.T3
/fpga_ddr/DRAM_ADDR14: U27.F4 U29.T7
/fpga_ddr/DRAM_BA0: U27.L5 U29.M2
/fpga_ddr/DRAM_BA1: U27.R4 U29.N8
/fpga_ddr/DRAM_BA2: U27.J5 U29.M3
/fpga_ddr/DRAM_CASB: U27.P5 U29.K3
/fpga_ddr/DRAM_CKE: U27.N3 U29.K9
/fpga_ddr/DRAM_CKN: R106.2 U27.M2 U29.K7
/fpga_ddr/DRAM_CKP: R106.1 U27.L2 U29.J7
/fpga_ddr/DRAM_CSB: U27.N1 U29.L2
/fpga_ddr/DRAM_DATA0: U27.C3 U29.H8
/fpga_ddr/DRAM_DATA1: U27.B3 U29.F2
/fpga_ddr/DRAM_DATA2: U27.A2 U29.G2
/fpga_ddr/DRAM_DATA3: U27.A4 U29.H3
/fpga_ddr/DRAM_DATA4: U27.D3 U29.F7
/fpga_ddr/DRAM_DATA5: U27.D1 U29.E3
/fpga_ddr/DRAM_DATA6: U27.C1 U29.H7
/fpga_ddr/DRAM_DATA7: U27.E1 U29.F8
/fpga_ddr/DRAM_DATA8: U27.E2 U29.C2
/fpga_ddr/DRAM_DATA9: U27.E3 U29.A2
/fpga_ddr/DRAM_DATA10: U27.G3 U29.A3
/fpga_ddr/DRAM_DATA11: U27.H3 U29.C3
/fpga_ddr/DRAM_DATA12: U27.J3 U29.A7
/fpga_ddr/DRAM_DATA13: U27.H2 U29.D7
/fpga_ddr/DRAM_DATA14: U27.H1 U29.B8
/fpga_ddr/DRAM_DATA15: U27.J1 U29.C8
/fpga_ddr/DRAM_DQM0: U27.A1 U29.E7
/fpga_ddr/DRAM_DQM1: U27.F1 U29.D3
/fpga_ddr/DRAM_ODT: U27.N5 U29.K1
/fpga_ddr/DRAM_RASB: U27.P4 U29.J3
/fpga_ddr/DRAM_RST: U27.B4 U29.T2
/fpga_ddr/DRAM_SDQSN_0: U27.B2 U29.G3
/fpga_ddr/DRAM_SDQSN_1: U27.F2 U29.B7
/fpga_ddr/DRAM_SDQSP_0: U27.C2 U29.F3
/fpga_ddr/DRAM_SDQSP_1: U27.G2 U29.C7
/fpga_ddr/DRAM_WEB: U27.M5 U29.L3
/fpga_io/PS_SRST_B: R112.2 U27.B10
AFE_RST: U7.H8 U27.Y19
AFE_SCK: U7.E8 U27.W16
AFE_SDATA: U7.E9 U27.Y17
AFE_SL: U7.D7 U27.Y18
AFE_SYNC: U27.T11
CCDIN_L: U6.1 U10.19
CCDIN_R: U5.1 U10.2
CSI_D2: RN1.1 U27.V16
CSI_D3: RN1.2 U27.U17
CSI_D4: RN1.4 U27.V12
CSI_D5: RN2.1 U27.T16
CSI_D6: RN2.3 U27.T12
CSI_D7: RN2.4 U27.T10
CSI_D8: RN1.3 U27.V13
CSI_D9: R28.2 U27.W18
CSI_D10: RN3.1 U27.V17
CSI_D11: RN3.2 U27.W13
CSI_D12: RN2.2 U27.U12
CSI_D13: RN3.3 U27.U18
CSI_D14: RN3.4 U27.V18
CSI_D15: RN4.2 U27.Y14
CSI_HSYNC: RN4.4 U27.Y16
CSI_PIXCLK: RN4.1 U27.U14
CSI_VSYNC: RN4.3 U27.W15
DSI_HS_CKN: R37.2 U27.W20
DSI_HS_CKP: R36.2 U27.V20
DSI_HS_D0N: R41.2 U27.U20
DSI_HS_D0P: R40.2 U27.T20
DSI_HS_D1N: R45.2 U27.P20
DSI_HS_D1P: R44.2 U27.N20
DSI_LP_CKN: R38.2 U27.W19
DSI_LP_CKP: R35.2 U27.U19
DSI_LP_D0N: R42.2 U27.T19
DSI_LP_D0P: R39.2 U27.R19
DSI_LP_D1N: R46.2 U27.P19
DSI_LP_D1P: R43.2 U27.N18
FDG_CCD: R89.1 U10.22 U10.39
FPGA_TCK: J2.17 U27.F9
FPGA_TDI: J2.16 U27.G6
FPGA_TDO: J2.15 U27.F6
FPGA_TMS: J2.14 U27.J6
H1BINL_CCD: R64.2 U10.5
H1BINR_CCD: R63.2 U10.16
H1BL_CCD: R68.2 U10.9
H1BR_CCD: R69.2 U10.12
H1SL_CCD: R65.2 U10.8
H1SR_CCD: R72.2 U10.13
H2BL_CCD: R67.2 U10.10
H2BR_CCD: R70.2 U10.11
H2SL_CCD: R66.2 U10.7
H2SR_CCD: R71.2 U10.14
I2C0_SCL: J2.12 U27.B13
I2C0_SDA: J2.11 U27.B9
I2C_PL0_SCL: R120.2 U9.2 U27.D19 U30.B1
I2C_PL0_SDA: R121.2 U9.1 U27.D20 U30.A3
I2C_PL1_SCL: R122.2 U27.F20 U31.B1
I2C_PL1_SDA: R119.2 U27.E19 U31.A3
MCU_RST: J2.18
MIPI_CKN: J2.9 R37.1 R38.1 R48.2
MIPI_CKP: J2.8 R35.1 R36.1 R47.2
MIPI_D0N: J2.6 R41.1 R42.1 R50.2
MIPI_D0P: J2.5 R39.1 R40.1 R49.2
MIPI_D1N: J2.3 R45.1 R46.1 R52.2
MIPI_D1P: J2.2 R43.1 R44.1 R51.2
PS_POR_B: J2.13 U27.C7
PS_UART_RX: U27.C12
PS_UART_TX: U27.B12
QSPI_DATA0: R99.2 U27.B8 U28.5
QSPI_DATA1: R97.2 U27.D6 U28.2
QSPI_DATA2: R98.2 U27.B7 U28.3
QSPI_DATA3: R96.2 U27.A6 U28.7
QSPI_SCLK: R100.2 U27.A5 U28.6
QSPI_SS0: R104.2 U27.A7 U28.1
RL_CCD: R62.2 U10.1
RR_CCD: R61.2 U10.20
SDIO_CLK: J2.25 R123.2
SDIO_CMD: J2.24 R124.2
SDIO_DAT0: J2.23 R125.2
SDIO_DAT1: J2.22 R126.2
SDIO_DAT2: J2.21 R127.2
SDIO_DAT3: J2.20 R128.2
SDIO_DET: U27.B14
SPI1_MISO: U27.C6
SPI1_MOSI: U27.E9
SPI1_SCLK: U27.D9
SPI1_SS0: U27.E8
TCON_FDG: R80.1 U27.L19
TCON_H1: U27.N16 U32.10
TCON_H1BR: U27.L15 U34.9
TCON_H2: U27.L17 U32.9
TCON_H2BR: U27.L16 U34.10
TCON_RG: U27.H17 U32.11
TCON_STROBE: C60.2 C61.2 U27.M15
TCON_V1: R74.1 U27.M18
TCON_V2: R73.1 U27.C20
TCON_V23: R79.1 R118.1 U27.A20
USB0_CLKOUT: U27.A11
USB0_DATA0: U27.A14
USB0_DATA1: U27.D15
USB0_DATA2: U27.A12
USB0_DATA3: U27.F12
USB0_DATA4: U27.C16
USB0_DATA5: U27.A10
USB0_DATA6: U27.E13
USB0_DATA7: U27.C18
USB0_DIR: U27.C13
USB0_NXT: U27.E16
USB0_STP: U27.C15
USB_DM: J2.27
USB_DP: J2.28
VAB_PWM: R23.2 U27.B19
VSUB_CCD: C64.1 D15.1 R60.1 U10.34
Net-(C43-Pad1): C43.1 FB8.1 FB9.1 R30.2 R31.1
Net-(C179-Pad2): C179.2 R23.1 R113.2
Net-(D1-A): D1.2 R9.1
Net-(D2-A): D2.2 R10.1
Net-(D3-K): D3.1 R11.1
Net-(D4-K): D4.1 R12.1
Net-(D5-K): D5.1 R13.1
Net-(D6-A): D6.2 R14.1
Net-(D7-A): D7.2 R15.1
Net-(D8-A): D8.2 R16.1
Net-(D9-K): D9.1 R17.1
Net-(D10-A): D10.2 R18.1
Net-(D14-K): C61.1 D14.1 Q1.2 R58.1
Net-(D16-K): D16.1 R73.2 R75.1
Net-(D17-K): D17.1 R74.2 R76.1
Net-(D18-A): C96.1 D18.1 R91.1 U24.2
Net-(D18-K): C95.2 D18.2 R90.2 U24.4
Net-(D19-A): C98.1 D19.1 R93.1 U25.2
Net-(D19-K): C97.2 D19.2 R92.2 U25.4
Net-(D20-A): C100.1 D20.1 R95.1 U26.2
Net-(D20-K): C99.2 D20.2 R94.2 U26.4
Net-(L1-Pad1): L1.1 U30.D3 U30.D4 U30.E3 U30.E4
Net-(L2-Pad1): L2.1 U31.D3 U31.D4 U31.E3 U31.E4
Net-(Q1A-C1): C64.2 Q1.3 Q1.6
Net-(Q1A-E1): Q1.1 R59.1
Net-(Q1B-B2): C60.1 Q1.5 R57.2
Net-(U2-ADJ): R5.2 R6.1 U2.4
Net-(U2-BYP): C4.1 U2.3
Net-(U3-ADJ): R7.2 R8.1 U3.4
Net-(U3-BYP): C5.1 U3.3
Net-(U5-IDRV): C13.1 R21.2 U5.4
Net-(U5-ISF): C11.1 R19.2 U5.6
Net-(U5-OUT): C21.2 U5.3
Net-(U6-IDRV): C14.1 R22.2 U6.4
Net-(U6-ISF): C12.1 R20.2 U6.6
Net-(U6-OUT): C22.2 U6.3
Net-(U7-CCDIN_A): C21.1 U7.A2
Net-(U7-CCDIN_B): C22.1 U7.A10
Net-(U7-CLIVDD): C36.1 C37.1 FB4.2 U7.A6
Net-(U7-CLO): C178.2 U7.B6 Y1.3
Net-(U7-LDOIN_A): C38.1 C39.1 FB3.2 U7.B2
Net-(U7-LDOIN_B): C40.1 C41.1 FB2.2 U7.B10
Net-(U7-REFB_A): C18.1 U7.A4
Net-(U7-REFB_B): C20.1 U7.A8
Net-(U7-REFT_A): C17.1 U7.B4
Net-(U7-REFT_B): C19.1 U7.B8
Net-(U7-SYNC): R24.2 U7.H9
Net-(U7-TCVDD): C28.2 FB1.1 U7.B7
Net-(U7-XV1): TP1.1 U7.F3
Net-(U8-EN): R29.2 U8.3
Net-(U8-NR/FB): R32.2 R33.1 U8.4
Net-(U10-ESD): R34.2 U10.27
Net-(U11-EN): R53.2 U11.3
